# KiCad board fairyboard.kicad_pcb
title: fairyboard; rev: 1; company: Steven Eisinger (restive.engines)

Outline 305.49 x 118.31 mm; copper layers: Top, Bottom. Coordinates in mm from the lower left corner of the outline.
Outline path: 0,77.9 9.14,114.57 arc(9.65,115.25) 10.48,115.38 26.78,111.31 arc(27.53,111.38) 28.06,111.92 arc(28.56,112.6) 29.4,112.72 45.7,108.66 arc(46.53,108.78) 47.03,109.46 49.04,117.51 arc(49.54,118.19) 50.37,118.31 66.67,114.25 arc(67.51,114.37) 68.01,115.05 68.2,115.82 arc(68.7,116.5) 69.53,116.63 125.58,102.65 arc(125.72,102.63) 125.85,102.62 179.64,102.62 arc(179.77,102.63) 179.91,102.65 235.95,116.63 arc(236.79,116.5) 237.29,115.82 237.48,115.05 arc(237.98,114.37) 238.82,114.25 255.12,118.31 arc(255.95,118.19) 256.45,117.51 258.46,109.46 arc(258.96,108.78) 259.79,108.66 276.09,112.72 arc(276.92,112.6) 277.43,111.92 arc(277.96,111.38) 278.71,111.31 295.01,115.38 arc(295.84,115.25) 296.35,114.57 305.49,77.9 arc(305.37,77.07) 304.69,76.56 288.39,72.5 arc(287.71,72) 287.59,71.17 291.17,56.81 arc(291.04,55.97) 290.37,55.47 272.12,50.92 arc(271.29,51.05) 270.79,51.73 268.78,59.78 arc(268.28,60.46) 267.45,60.58 251.15,56.52 arc(250.32,56.64) 249.81,57.32 249.62,58.09 arc(249.12,58.77) 248.29,58.89 233.93,55.31 arc(233.25,54.81) 233.13,53.98 239.25,29.43 arc(239.12,28.6) 238.45,28.1 220.4,23.6 arc(220.25,23.55) 220.11,23.48 204.26,14.15 arc(204.13,14.06) 204.02,13.95 191.34,0.35 arc(190.57,0) 189.78,0.29 176.03,13.12 arc(175.68,13.88) 175.98,14.67 195.87,36 arc(196.13,36.48) 196.13,37.02 189.9,62 arc(189.51,62.6) 188.83,62.84 116.66,62.84 arc(115.98,62.6) 115.59,62 109.36,37.02 arc(109.36,36.48) 109.62,36 129.51,14.67 arc(129.81,13.88) 129.46,13.12 115.71,0.29 arc(114.92,0) 114.15,0.35 101.47,13.95 arc(101.36,14.06) 101.23,14.15 85.38,23.48 arc(85.24,23.55) 85.09,23.6 67.04,28.1 arc(66.37,28.6) 66.24,29.43 72.36,53.98 arc(72.24,54.81) 71.56,55.31 57.2,58.89 arc(56.37,58.77) 55.87,58.09 55.67,57.32 arc(55.17,56.64) 54.34,56.52 38.04,60.58 arc(37.21,60.46) 36.71,59.78 34.7,51.73 arc(34.2,51.05) 33.37,50.92 15.12,55.47 arc(14.45,55.97) 14.32,56.81 17.9,71.17 arc(17.78,72) 17.1,72.5 0.8,76.56 arc(0.12,77.07) 0,77.9
Stack: Top 0.035mm / dielectric 1.51mm FR4 er 4.5 / Bottom 0.035mm

## Placement (name value [footprint] x y rotation side)
_2  -  [SpacerHole_3.2mm_M2_Pad_Via]  99.84 81.5 346 top
_3  -  [SpacerHole_3.2mm_M2_Pad_Via]  205.65 81.5 14 top
_4  -  [SpacerHole_3.2mm_M2_Pad_Via]  24.22 92.37 346 top
_5  -  [SpacerHole_3.2mm_M2_Pad_Via]  281.27 92.37 14 top
_6  -  [SpacerHole_3.2mm_M2_Pad_Via]  64.12 95.3 346 top
_7  -  [SpacerHole_3.2mm_M2_Pad_Via]  241.37 95.3 14 top
_8  -  [SpacerHole_3.2mm_M2_Pad_Via]  90.64 44.63 346 top
_9  -  [SpacerHole_3.2mm_M2_Pad_Via]  214.85 44.63 14 top
_10  -  [SpacerHole_3.2mm_M2_Pad_Via]  36.53 71.06 346 top
_11  -  [SpacerHole_3.2mm_M2_Pad_Via]  268.96 71.06 14 top
_12  -  [SpacerHole_3.2mm_M2_Pad_Via]  108.09 22.45 321.2 top
_13  -  [SpacerHole_3.2mm_M2_Pad_Via]  197.4 22.45 38.8 top
_14  -  [MountingHole_2.2mm_M2_Pad_Via]  126.05 77.08 346 top
_15  -  [MountingHole_2.2mm_M2_Pad_Via]  179.44 77.08 14 top
_16  -  [MountingHole_2.2mm_M2_Pad_Via]  129.72 91.83 346 top
_17  -  [MountingHole_2.2mm_M2_Pad_Via]  175.77 91.83 14 top
D1  -  [SmtDiode]  18.35 79.15 76 top
D2  -  [SmtDiode]  22.94 97.58 76 top
D3  -  [SmtDiode]  32.67 58.05 76 top
D4  -  [SmtDiode]  37.27 76.49 76 top
D5  -  [SmtDiode]  41.86 94.93 76 top
D6  -  [SmtDiode]  53.65 63.65 76 top
D7  -  [SmtDiode]  58.24 82.08 76 top
D8  -  [SmtDiode]  62.84 100.52 76 top
D9  -  [SmtDiode]  72.81 61.96 76 top
D10  -  [SmtDiode]  77.4 80.4 76 top
D11  -  [SmtDiode]  82 98.83 76 top
D12  -  [SmtDiode]  90.03 52.51 76 top
D13  -  [SmtDiode]  94.63 70.95 76 top
D14  -  [SmtDiode]  99.23 89.38 76 top
D15  -  [SmtDiode]  107.62 44.52 76 top
D16  -  [SmtDiode]  112.22 62.96 76 top
D17  -  [SmtDiode]  116.82 81.39 76 top
D18  -  [SmtDiode]  84.59 30.68 76 top
D19  -  [SmtDiode]  102.76 21.08 59.5 top
D20  -  [SmtDiode]  117.45 6.71 43 top
D21  -  [SmtDiode]  300.73 82.53 104 top
D22  -  [SmtDiode]  296.13 100.97 104 top
D23  -  [SmtDiode]  286.4 61.44 104 top
D24  -  [SmtDiode]  281.81 79.88 104 top
D25  -  [SmtDiode]  277.21 98.31 104 top
D26  -  [SmtDiode]  265.43 67.03 104 top
D27  -  [SmtDiode]  260.83 85.47 104 top
D28  -  [SmtDiode]  256.23 103.9 104 top
D29  -  [SmtDiode]  246.27 65.35 104 top
D30  -  [SmtDiode]  241.67 83.78 104 top
D31  -  [SmtDiode]  237.07 102.22 104 top
D32  -  [SmtDiode]  229.04 55.9 104 top
D33  -  [SmtDiode]  224.44 74.34 104 top
D34  -  [SmtDiode]  219.85 92.77 104 top
D35  -  [SmtDiode]  211.45 47.91 104 top
D36  -  [SmtDiode]  206.86 66.34 104 top
D37  -  [SmtDiode]  202.26 84.78 104 top
D38  -  [SmtDiode]  234.48 34.07 104 top
D39  -  [SmtDiode]  214.79 28.18 120.5 top
D40  -  [SmtDiode]  197.58 16.95 137 top
DISP1  -  [display_nice_view]  152.74 83.33 0 top
G***  -  [LOGO]  191.11 100.55 14 top
JST1  -  [JST_PH_S2B-PH-K_02x2.00mm_Angled]  167.74 86.25 0 top
NOREF  -  [nice_nano_elite_c]  152.74 86.11 0 top
RST1  -  [reset_switch_tht_side]  134.74 99.22 0 top
S1  -  [MX]  12.46 84.48 346 top
S2  -  [MX]  17.06 102.91 346 top
S3  -  [MX]  26.79 63.39 346 top
S4  -  [MX]  31.38 81.82 346 top
S5  -  [MX]  35.98 100.26 346 top
S6  -  [MX]  47.76 68.98 346 top
S7  -  [MX]  52.36 87.41 346 top
S8  -  [MX]  56.95 105.85 346 top
S9  -  [MX]  66.92 67.29 346 top
S10  -  [MX]  71.52 85.73 346 top
S11  -  [MX]  76.12 104.16 346 top
S12  -  [MX]  84.15 57.84 346 top
S13  -  [MX]  88.74 76.28 346 top
S14  -  [MX]  93.34 94.72 346 top
S15  -  [MX]  101.74 49.85 346 top
S16  -  [MX]  106.33 68.29 346 top
S17  -  [MX]  110.93 86.72 346 top
S18  -  [MX]  78.71 36.01 346 top
S19  -  [MX]  98.63 27.86 329.5 top
S20  -  [MX]  115.42 14.38 313 top
S21  -  [MX]  293.03 84.48 14 top
S22  -  [MX]  288.43 102.91 14 top
S23  -  [MX]  278.7 63.39 14 top
S24  -  [MX]  274.11 81.82 14 top
S25  -  [MX]  269.51 100.26 14 top
S26  -  [MX]  257.73 68.98 14 top
S27  -  [MX]  253.13 87.41 14 top
S28  -  [MX]  248.54 105.85 14 top
S29  -  [MX]  238.57 67.29 14 top
S30  -  [MX]  233.97 85.73 14 top
S31  -  [MX]  229.37 104.16 14 top
S32  -  [MX]  221.34 57.84 14 top
S33  -  [MX]  216.74 76.28 14 top
S34  -  [MX]  212.15 94.72 14 top
S35  -  [MX]  203.75 49.85 14 top
S36  -  [MX]  199.16 68.29 14 top
S37  -  [MX]  194.56 86.72 14 top
S38  -  [MX]  226.78 36.01 14 top
S39  -  [MX]  206.86 27.86 30.5 top
S40  -  [MX]  190.07 14.38 47 top
S41  -  [PG1350]  12.46 84.48 166 top
S42  -  [PG1350]  17.06 102.91 166 top
S43  -  [PG1350]  26.79 63.39 166 top
S44  -  [PG1350]  31.38 81.82 166 top
S45  -  [PG1350]  35.98 100.26 166 top
S46  -  [PG1350]  47.76 68.98 166 top
S47  -  [PG1350]  52.36 87.41 166 top
S48  -  [PG1350]  56.95 105.85 166 top
S49  -  [PG1350]  66.92 67.29 166 top
S50  -  [PG1350]  71.52 85.73 166 top
S51  -  [PG1350]  76.12 104.16 166 top
S52  -  [PG1350]  84.15 57.84 166 top
S53  -  [PG1350]  88.74 76.28 166 top
S54  -  [PG1350]  93.34 94.72 166 top
S55  -  [PG1350]  101.74 49.85 166 top
S56  -  [PG1350]  106.33 68.29 166 top
S57  -  [PG1350]  110.93 86.72 166 top
S58  -  [PG1350]  78.71 36.01 166 top
S59  -  [PG1350#5]  98.63 27.86 149.5 top
S60  -  [PG1350#4]  115.42 14.38 133 top
S61  -  [PG1350#2]  293.03 84.48 194 top
S62  -  [PG1350#2]  288.43 102.91 194 top
S63  -  [PG1350#2]  278.7 63.39 194 top
S64  -  [PG1350#2]  274.11 81.82 194 top
S65  -  [PG1350#2]  269.51 100.26 194 top
S66  -  [PG1350#2]  257.73 68.98 194 top
S67  -  [PG1350#2]  253.13 87.41 194 top
S68  -  [PG1350#2]  248.54 105.85 194 top
S69  -  [PG1350#2]  238.57 67.29 194 top
S70  -  [PG1350#2]  233.97 85.73 194 top
S71  -  [PG1350#2]  229.37 104.16 194 top
S72  -  [PG1350#2]  221.34 57.84 194 top
S73  -  [PG1350#2]  216.74 76.28 194 top
S74  -  [PG1350#2]  212.15 94.72 194 top
S75  -  [PG1350#2]  203.75 49.85 194 top
S76  -  [PG1350#2]  199.16 68.29 194 top
S77  -  [PG1350#2]  194.56 86.72 194 top
S78  -  [PG1350#2]  226.78 36.01 194 top
S79  -  [PG1350#3]  206.86 27.86 210.5 top
S80  -  [PG1350#4]  190.07 14.38 227 top
T1  -  [SPDT_C128955]  170.74 100.72 0 top
TERMINAL1  -  [terminal_block_8]  131.74 83.33 0 top
TERMINAL2  -  [terminal_block_5]  172.53 83.33 0 top

## Footprints (pads in the part's own frame, mm; a bottom-side part is the same pattern mirrored in y, then rotated)
display_nice_view
  oval 1.7x1.7 hole 1: 1(-5.08,-16.7) 2(-2.54,-16.7) 3(0,-16.7) 4(2.54,-16.7)
  round 1.7 hole 1: 5(5.08,-16.7)
JST_PH_S2B-PH-K_02x2.00mm_Angled
  rect 1.2x1.7 hole 0.75: 1(-1,0)
  oval 1.2x1.7 hole 0.75: 2(1,0)
MountingHole_2.2mm_M2_Pad_Via
  round 0.7 hole 0.4: 1(-1.65,0) 1(-1.167,1.167) 1(-1.167,-1.167) 1(0,1.65) 1(0,-1.65) 1(1.167,1.167) 1(1.167,-1.167) 1(1.65,0)
  round 4.4 hole 2.2: 1(0,0)
MX
  round 1.702 hole 1.702 unplated: (-5.08,0) (5.08,0)
  round 3 hole 3 unplated: (-3.81,2.54) (2.54,5.08)
  round 3.988 hole 3.988 unplated: (0,0)
  rect 2.55x2.5 smd far side: 1(-7.085,2.54) 2(5.842,5.08)
nice_nano_elite_c
  oval 1.7x1.7 hole 1: 0(-7.62,12.7) 1(-7.62,10.16) 2(-7.62,7.62) 3(-7.62,5.08) 4(-7.62,2.54) 5(-7.62,0) 6(-7.62,-2.54) 7(-7.62,-5.08) 8(-7.62,-7.62) 9(-7.62,-10.16) 10(-7.62,-12.7) 11(-7.62,-15.24) 12(7.62,-15.24) 13(7.62,-12.7) 14(7.62,-10.16) 15(7.62,-7.62) 16(7.62,-5.08) 17(7.62,-2.54) 18(7.62,0) 19(7.62,2.54) 20(7.62,5.08) 21(7.62,7.62) 22(7.62,10.16) 23(7.62,12.7) 24(5.08,-10.16) 25(2.54,-10.16) 26(0,-10.16)
  oval 1.753x1.753 hole 1.092: 27(5.08,-15.24) 28(2.54,-15.24) 29(0,-15.24) 30(-2.54,-15.24) 31(-5.08,-15.24)
PG1350
  round 1.702 hole 1.702 unplated: (-5.5,0) (5.5,0)
  round 3 hole 3 unplated: (0,5.95) (5,3.75)
  round 5 hole 5 unplated: (0,0)
  rect 2.6x2.6 smd far side: 1(-3.275,5.95) 2(8.275,3.75)
PG1350#2
  round 1.702 hole 1.702 unplated: (-5.5,0) (5.5,0)
  round 3 hole 3 unplated: (0,5.95) (5,3.75)
  round 5 hole 5 unplated: (0,0)
  rect 2.6x2.6 smd far side: 1(-3.275,5.95) 2(8.275,3.75)
PG1350#3
  round 1.702 hole 1.702 unplated: (-5.5,0) (5.5,0)
  round 3 hole 3 unplated: (0,5.95) (5,3.75)
  round 5 hole 5 unplated: (0,0)
  rect 2.6x2.6 smd far side: 1(-3.275,5.95) 2(8.275,3.75)
PG1350#4
  round 1.702 hole 1.702 unplated: (-5.5,0) (5.5,0)
  round 3 hole 3 unplated: (0,5.95) (5,3.75)
  round 5 hole 5 unplated: (0,0)
  rect 2.6x2.6 smd far side: 1(-3.275,5.95) 2(8.275,3.75)
PG1350#5
  round 1.702 hole 1.702 unplated: (-5.5,0) (5.5,0)
  round 3 hole 3 unplated: (0,5.95) (5,3.75)
  round 5 hole 5 unplated: (0,0)
  rect 2.6x2.6 smd far side: 1(-3.275,5.95) 2(8.275,3.75)
reset_switch_tht_side
  round 2 hole 1.3: (-3.5,-1.25) (3.5,-1.25)
  round 1.7 hole 1: 1(2.5,1.25) 2(-2.5,1.25)
SmtDiode
  rect 0.9x1.2 smd far side: 1(-1.65,0) 2(1.65,0)
SpacerHole_3.2mm_M2_Pad_Via
  round 3.2 hole 3.2 unplated: (0,0)
SPDT_C128955
  rect 0.9x0.9 smd: (-3.7,-1.1) (-3.7,1.1) (3.7,-1.1) (3.7,1.1)
  round 1 hole 0.9 unplated: (-1.5,0) (1.5,0)
  rect 0.9x1.25 smd: 1(2.25,-2.075) 2(-0.75,-2.075) 3(-2.25,-2.075)
terminal_block_5
  round 1.1 hole 1.1 unplated: (-6.35,-19.24) (-3.81,-19.24) (-1.27,-19.24) (1.27,-19.24) (3.81,-19.24)
  round 1.8 hole 1.1: 1(-6.35,-16.7) 2(-3.81,-16.7) 3(-1.27,-16.7) 4(1.27,-16.7) 5(3.81,-16.7)
terminal_block_8
  round 1.1 hole 1.1 unplated: (-10.16,-19.24) (-7.62,-19.24) (-5.08,-19.24) (-2.54,-19.24) (0,-19.24) (2.54,-19.24) (5.08,-19.24) (7.62,-19.24)
  round 1.8 hole 1.1: 1(-10.16,-16.7) 2(-7.62,-16.7) 3(-5.08,-16.7) 4(-2.54,-16.7) 5(0,-16.7) 6(2.54,-16.7) 7(5.08,-16.7) 8(7.62,-16.7)

## Nets
GND: DISP1.4 JST1.2 NOREF.1 NOREF.20 NOREF.21 RST1.1 TERMINAL1.3
VCC: DISP1.3 NOREF.3 TERMINAL1.2
B+: JST1.1 T1.2
COL1: NOREF.4 S1.1 S2.1 S3.1 S21.1 S22.1 S23.1 S41.2 S42.2 S43.2 S61.2 S62.2 S63.2
COL2: NOREF.5 S4.1 S5.1 S6.1 S24.1 S25.1 S26.1 S44.2 S45.2 S46.2 S64.2 S65.2 S66.2
COL3: NOREF.6 S7.1 S8.1 S9.1 S27.1 S28.1 S29.1 S37.1 S47.2 S48.2 S49.2 S67.2 S68.2 S69.2 S77.2
COL4: NOREF.7 S10.1 S11.1 S18.1 S30.1 S31.1 S34.1 S38.1 S50.2 S51.2 S58.2 S70.2 S71.2 S74.2 S78.2
COL5: NOREF.8 S12.1 S13.1 S14.1 S19.1 S32.1 S33.1 S39.1 S52.2 S53.2 S54.2 S59.2 S72.2 S73.2 S79.2
COL6: NOREF.9 S15.1 S16.1 S17.1 S20.1 S35.1 S36.1 S40.1 S55.2 S56.2 S57.2 S60.2 S75.2 S76.2 S80.2
D0: DISP1.5 NOREF.23 TERMINAL1.4
D1: NOREF.22 TERMINAL1.5
D2: DISP1.1 NOREF.19 TERMINAL1.6
D3: DISP1.2 NOREF.18 TERMINAL1.7
D4: NOREF.17 TERMINAL1.8
D5: NOREF.24 NOREF.27 TERMINAL2.1
D6: NOREF.25 NOREF.28 TERMINAL2.2
D7: NOREF.26 NOREF.29 TERMINAL2.3
D8: NOREF.30 TERMINAL2.4
D9: NOREF.31 TERMINAL2.5
index_bottom: D12.2 S12.2 S52.1
index_home: D13.2 S13.2 S53.1
index_top: D14.2 S14.2 S54.1
inner_bottom: D15.2 S15.2 S55.1
inner_home: D16.2 S16.2 S56.1
inner_thumb: D20.2 S20.2 S60.1
inner_top: D17.2 S17.2 S57.1
middle_bottom: D9.2 S9.2 S49.1
middle_home: D10.2 S10.2 S50.1
middle_thumb: D19.2 S19.2 S59.1
middle_top: D11.2 S11.2 S51.1
mirror_index_bottom: D32.2 S32.2 S72.1
mirror_index_home: D33.2 S33.2 S73.1
mirror_index_top: D34.2 S34.2 S74.1
mirror_inner_bottom: D35.2 S35.2 S75.1
mirror_inner_home: D36.2 S36.2 S76.1
mirror_inner_thumb: D40.2 S40.2 S80.1
mirror_inner_top: D37.2 S37.2 S77.1
mirror_middle_bottom: D29.2 S29.2 S69.1
mirror_middle_home: D30.2 S30.2 S70.1
mirror_middle_thumb: D39.2 S39.2 S79.1
mirror_middle_top: D31.2 S31.2 S71.1
mirror_outer_home: D21.2 S21.2 S61.1
mirror_outer_thumb: D38.2 S38.2 S78.1
mirror_outer_top: D22.2 S22.2 S62.1
mirror_pinky_bottom: D23.2 S23.2 S63.1
mirror_pinky_home: D24.2 S24.2 S64.1
mirror_pinky_top: D25.2 S25.2 S65.1
mirror_ring_bottom: D26.2 S26.2 S66.1
mirror_ring_home: D27.2 S27.2 S67.1
mirror_ring_top: D28.2 S28.2 S68.1
outer_home: D1.2 S1.2 S41.1
outer_thumb: D18.2 S18.2 S58.1
outer_top: D2.2 S2.2 S42.1
pinky_bottom: D3.2 S3.2 S43.1
pinky_home: D4.2 S4.2 S44.1
pinky_top: D5.2 S5.2 S45.1
RAW: NOREF.0 T1.1 TERMINAL1.1
ring_bottom: D6.2 S6.2 S46.1
ring_home: D7.2 S7.2 S47.1
ring_top: D8.2 S8.2 S48.1
ROW1: D14.1 D17.1 D34.1 D37.1 NOREF.16
ROW2: D2.1 D5.1 D8.1 D11.1 D13.1 D16.1 NOREF.10
ROW3: D1.1 D4.1 D7.1 D10.1 D12.1 D15.1 NOREF.15
ROW4: D3.1 D6.1 D9.1 D18.1 D19.1 D20.1 NOREF.13
ROW5: D22.1 D25.1 D28.1 D31.1 D33.1 D36.1 NOREF.11
ROW6: D21.1 D24.1 D27.1 D30.1 D32.1 D35.1 NOREF.14
ROW7: D23.1 D26.1 D29.1 D38.1 D39.1 D40.1 NOREF.12
RST: NOREF.2 RST1.2

Pads without a net: _14 1; _15 1; _16 1; _17 1; T1 3

## Via types
v1: diameter 0.8, hole 0.4, Top to Bottom, 339 vias

## Routing (per net, layer and track width the routed paths; a pad name or vN(x,y) marks a point on that pad's centre or on a via; arc(x,y) is an arc through that point)
GND:
  vias: v1(1.75,79.94) v1(6.6,97.54) v1(9.23,92.76) v1(9.4,110.37) v1(14.61,112.57) v1(16.83,107.87) v1(16.92,92.32) v1(17.13,59.17) v1(19.76,99.9) v1(20.01,75.03) v1(22.14,90) v1(22.48,69.94) v1(22.47,57.19) v1(27.11,107.44) v1(27.15,66.78) v1(27.3,54.29) v1(29.54,72.14) v1(29.76,90.22) v1(30.12,59.74) v1(32.13,64.82) v1(35.19,107.9) v1(35.17,82.19) v1(40.07,64.66) v1(40.19,87.21) v1(40.2,79.96) v1(44.92,102.33) v1(47.7,74.41) v1(47.94,82.01) v1(49.93,99.79) v1(52.69,92.09) v1(52.67,69.62) v1(55.35,97.2) v1(55.39,59.34) v1(55.51,84.49) v1(55.86,111.71) v1(57.5,114.17) v1(58.14,76.99) v1(60.09,61.62) v1(60.24,95.15) v1(60.36,107.65) v1(62.98,87.07) v1(63.13,74.77) v1(65.73,104.89) v1(67.73,31.87) v1(68.14,72.16) v1(68.18,94.9) v1(71.59,111.59) v1(72.7,92.47) v1(72.83,29.06) v1(72.99,81.98) v1(73.29,51.9) v1(75.32,59.2) v1(75.61,107.96) v1(75.58,87.14) v1(75.6,47.02) v1(77.77,41.56) v1(77.86,100.43) v1(78.06,77.03) v1(80.36,72.07) v1(80.59,85.14) v1(80.74,105.14) v1(80.76,26.04) v1(80.98,64.79) v1(83.06,36.69) v1(83.21,49.27) v1(85.65,89.68) v1(85.59,43.99) v1(85.85,107.91) v1(85.95,54.15) v1(86.04,82.22) v1(88.08,66.91) v1(88.22,59.28) v1(88.42,102.29) v1(88.47,39.08) v1(90.61,72.42) v1(90.58,34.12) v1(91.09,84.5) v1(93.49,77.23) v1(93.57,104.91) v1(93.61,41.91) v1(95.94,36.77) v1(98.28,23.76) v1(98.48,46.84) v1(98.64,59.35) v1(98.79,102.28) v1(101.11,34.35) v1(101.08,16.05) v1(103.7,77.21) v1(103.73,57.15) v1(103.84,100.24) v1(105.91,36.34) v1(106.11,47.08) v1(106.32,72.06) v1(108.71,97.43) v1(108.72,64.63) v1(108.68,26.42) v1(110.77,92.34) v1(111.29,31.6) v1(111.37,69.46) v1(113.28,74.94) v1(113.76,3.58) v1(114.47,99.3) v1(115.95,26.36) v1(116.5,87.52) v1(118.44,97.63) v1(118.76,67.22) v1(118.7,21.72) v1(119.04,6.48) v1(119.1,77.28) v1(121.1,85.07) v1(121.32,92.75) v1(124.03,18.96) v1(126.04,87.18) v1(126.37,13.87) v1(127.81,68.25) v1(129.16,82.53) v1(130.29,78.19) v1(133.03,71.13) v1(133.64,87.72) v1(135.99,75.83) v1(136.32,78.43) v1(138.75,82.63) v1(139.06,100.24) v1(141.11,71.33) v1(141.32,67.08) v1(143,70.18) v1(145.26,66.37) v1(149.13,78.43) v1(149.18,97.78) v1(153.12,85.79) v1(155.44,91) v1(158.41,64.5) v1(160.21,66.08) v1(162.77,63.85) v1(164.3,92.79) v1(164.43,82.64) v1(166.75,76.96) v1(172.33,82.54) v1(172.45,92.77) v1(172.54,68.7) v1(174.38,87.2) v1(174.44,77.35) v1(176.99,100.13) v1(177.31,13.92) v1(179.82,82.13) v1(180.05,94.65) v1(182.29,90.24) v1(183.52,68.49) v1(183.55,64.33) v1(184.76,77.61) v1(184.99,16.45) v1(187.19,92.63) v1(187.3,71.81) v1(187.48,96.12) v1(188.26,68.95) v1(189.98,3.77) v1(190.74,103.07) v1(192.4,26.17) v1(194.69,97.25) v1(194.77,16.53) v1(195.25,5.92) v1(197.12,56.68) v1(197.21,34.17) v1(197.3,89.88) v1(197.33,74.44) v1(199.91,13.95) v1(200.06,102.42) v1(200.09,39.29) v1(202.39,79.53) v1(202.58,92.67) v1(202.61,54.42) v1(202.84,43.87) v1(202.89,66.76) v1(205.34,16.46) v1(205.44,99.79) v1(207.53,87.65) v1(207.69,104.98) v1(207.71,49.52) v1(207.84,61.84) v1(208.01,41.56) v1(208.67,31.55) v1(209.86,82.16) v1(212.89,39.09) v1(215.04,97.8) v1(215.19,64.17) v1(215.3,71.94) v1(215.56,84.79) v1(215.58,105.39) v1(217.53,23.51) v1(218.01,33.85) v1(220.16,107.58) v1(220.61,54.66) v1(220.6,46.83) v1(220.72,80.14) v1(225.04,41.49) v1(225.19,82.41) v1(225.38,69.43) v1(225.56,95.24) v1(225.57,31.47) v1(225.74,57.04) v1(227.69,110.37) v1(227.73,99.75) v1(228.17,77.31) v1(230.34,92.56) v1(230.31,72.33) v1(230.44,39.11) v1(230.87,49.61) v1(232.69,107.62) v1(233.06,82.55) v1(233.3,59.37) v1(235.61,28.88) v1(237.85,95.33) v1(238,84.8) v1(238.41,105.13) v1(243.05,77.25) v1(243.08,112.76) v1(243.19,92.16) v1(247.94,79.61) v1(248.51,95.27) v1(248.53,71.88) v1(253.01,105.47) v1(255.65,97.35) v1(255.87,62.29) v1(256.17,74.41) v1(260.63,72.22) v1(260.68,105.45) v1(263.69,85.19) v1(265.8,107.33) v1(266.31,66.95) v1(268.82,89.58) v1(275.94,107.77) v1(276.02,69.44) v1(278.45,92.56) v1(278.42,80.08) v1(278.6,99.84) v1(281.2,110.62) v1(281.19,87.61) v1(283.61,82.65) v1(286.08,71.95) v1(286.28,107.44) v1(288.62,92.12) v1(288.83,59.74) v1(289.19,76.88) v1(291.19,113.02) v1(291.62,105.04) v1(296.23,87.72) v1(296.35,107.93) v1(299.31,97.87) v1(301.45,77.11)
VCC: length 57.1
  Bottom w0.25: NOREF.3 146.03,90.29 arc(146.32,89.84) 146.43,89.32 146.43,69.76 ; DISP1.3 151.97,65.85 arc(151.53,65.56) 151.01,65.45 147.13,65.45 arc(146.86,65.51) 146.63,65.66 arc(146.48,65.89) 146.43,66.15 146.43,68.67 ; 145.93,69.17 127.23,69.17 arc(126.71,69.07) 126.27,68.77 TERMINAL1.2 ; 145.93,69.17 arc(146.28,69.34) 146.43,69.76 ; 145.93,69.17 arc(146.28,69.03) 146.43,68.67 ; 146.43,68.67 146.43,69.76
B+: length 13.6
  Top w0.25: T1.2 169.99,93.53 arc(169.89,93.01) 169.6,92.56 167.14,90.11 arc(166.85,89.67) 166.74,89.15 JST1.1
COL1: length 423.8
  Top w0.25: v1(148.42,90.99) 147.94,90.99 arc(147.5,90.9) 147.12,90.65 NOREF.4
  Bottom w0.25: S63.2 272.16,58.71 arc(272.34,59.21) 272.31,59.74 S23.1 275.66,71.53 arc(276.02,71.93) 276.5,72.15 282.29,73.6 arc(282.77,73.83) 283.13,74.22 284.7,76.84 ; 286.48,79.8 285.75,78.59 ; 286.48,79.8 arc(286.66,80.3) 286.64,80.83 ; 286.48,79.8 arc(286.55,79.91) 286.62,80.03 ; 286.62,80.03 285.83,78.71 ; 286.62,80.03 arc(286.7,80.36) 286.64,80.83 ; 285.83,78.71 285.53,78.21 ; 285.83,78.71 arc(285.79,78.65) 285.75,78.59 ; 285.17,77.61 285.34,77.9 ; 285.17,77.61 285.01,77.35 ; 285.17,77.61 arc(285.17,77.62) 285.18,77.63 ; 285.34,77.9 285.53,78.21 ; 285.34,77.9 arc(285.35,77.91) 285.36,77.93 ; 286.64,80.83 S21.1 285.8,85.66 arc(285.96,86.11) 285.93,86.58 283.75,95.34 arc(283.52,95.82) 283.13,96.18 281.74,97.02 arc(281.51,97.32) 281.57,97.7 281.89,98.23 arc(282.06,98.73) 282.04,99.26 S22.1 280.02,107.34 arc(279.8,107.82) 279.41,108.18 274.1,111.37 arc(273.6,111.55) 273.07,111.52 259.84,108.22 arc(259.31,108.19) 258.81,108.37 258.14,108.77 arc(257.75,109.13) 257.52,109.61 256.17,115.02 arc(255.94,115.5) 255.55,115.85 253.83,116.89 arc(253.33,117.07) 252.8,117.04 239.07,113.62 arc(238.54,113.59) 238.04,113.77 235.24,115.45 arc(234.74,115.63) 234.21,115.61 182.25,102.65 arc(181.73,102.44) 181.29,102.11 178,98.82 arc(177.56,98.52) 177.04,98.42 162.58,98.42 arc(162.06,98.31) 161.62,98.02 161.44,97.84 arc(161,97.55) 160.48,97.44 155.44,97.44 arc(154.92,97.34) 154.48,97.04 v1(148.42,90.99) ; 285.75,78.59 285.57,78.27 ; 285.57,78.27 285.36,77.93 ; 285.57,78.27 arc(285.55,78.24) 285.53,78.21 ; 285.01,77.35 284.7,76.84 ; 285.01,77.35 arc(285.01,77.35) 285.01,77.35 ; 284.7,76.84 285.01,77.35 ; NOREF.4 142.53,88.65 arc(142.01,88.75) 141.57,89.05 134.5,96.11 arc(134.06,96.41) 133.54,96.51 130.97,96.51 arc(130.45,96.62) 130.01,96.91 125.54,101.38 arc(125.1,101.71) 124.58,101.92 71.28,115.21 arc(70.75,115.24) 70.25,115.06 67.97,113.69 arc(67.47,113.51) 66.94,113.53 52.36,117.17 arc(51.83,117.2) 51.33,117.02 49.84,116.13 arc(49.45,115.77) 49.22,115.29 47.77,109.46 arc(47.74,109.36) 47.7,109.26 arc(47.67,109.16) 47.64,109.06 47.63,109.02 arc(47.57,108.91) 47.48,108.82 46.38,108.16 arc(46.13,108.07) 45.87,108.08 32.7,111.37 arc(32.17,111.39) 31.67,111.21 29.01,109.61 arc(28.51,109.43) 27.98,109.46 19.16,111.65 arc(18.63,111.68) 18.13,111.5 S2.1 9.7,102.69 arc(9.47,102.21) 9.08,101.85 8.16,101.3 arc(8.13,101.27) 8.11,101.23 arc(8.11,101.19) 8.12,101.15 8.68,100.23 arc(8.86,99.73) 8.83,99.2 S1.1 5.1,84.26 arc(4.88,83.78) 4.49,83.42 3.95,83.1 arc(3.73,82.79) 3.78,82.41 6.96,77.12 arc(7.32,76.73) 7.8,76.51 17.36,74.12 arc(17.84,73.9) 18.19,73.5 20.6,69.5 arc(20.78,69) 20.75,68.47 19.43,63.16 arc(19.2,62.68) 18.81,62.33 S43.2 ; 285.36,77.93 285.18,77.63 ; 285.01,77.35 285.18,77.63
COL2: length 383
  Top w0.25: v1(147.35,86.77) 146.25,86.77 arc(145.82,86.68) 145.45,86.44 NOREF.5
  Bottom w0.25: 124.14,101.57 71.7,114.64 arc(71.7,114.64) 71.7,114.64 arc(71.7,114.64) 71.69,114.64 arc(71.69,114.64) 71.69,114.64 71.44,114.71 arc(71.2,114.72) 70.97,114.63 67.91,112.8 arc(67.7,112.72) 67.48,112.73 67.03,112.85 52.49,116.47 arc(51.96,116.5) 51.46,116.32 50.42,115.69 arc(50.02,115.33) 49.8,114.85 48.29,108.79 arc(48.06,108.31) 47.67,107.96 46.8,107.44 arc(46.3,107.26) 45.77,107.28 32.81,110.52 arc(32.28,110.54) 31.78,110.36 31.58,110.24 arc(31.18,109.89) 30.96,109.41 S5.1 28.62,100.03 arc(28.39,99.55) 28,99.2 27.47,98.88 arc(27.24,98.57) 27.3,98.19 27.62,97.66 arc(27.8,97.16) 27.77,96.63 S4.1 24.02,81.6 arc(23.8,81.12) 23.4,80.76 22.87,80.44 arc(22.65,80.14) 22.7,79.76 27.79,71.29 arc(28.15,70.9) 28.63,70.67 37.74,68.4 arc(38.2,68.18) 38.55,67.81 38.57,67.77 arc(38.87,67.54) 39.25,67.6 39.78,67.92 arc(40.18,68.28) 40.4,68.76 S6.1 ; v1(147.35,86.77) 152.59,92.01 arc(153.03,92.3) 153.55,92.41 161.11,92.41 arc(161.63,92.51) 162.07,92.81 163.62,94.36 arc(164.06,94.65) 164.58,94.76 175.96,94.76 arc(176.48,94.86) 176.92,95.16 184.11,102.35 arc(184.56,102.68) 185.08,102.89 234.14,115.13 arc(234.67,115.15) 235.17,114.97 237.97,113.29 arc(238.47,113.11) 239,113.14 252.73,116.56 arc(253.26,116.59) 253.76,116.41 255.16,115.57 arc(255.55,115.21) 255.78,114.73 258.57,103.55 arc(258.79,103.07) 259.19,102.71 S25.1 263.12,96.61 arc(263.15,96.08) 262.97,95.58 S65.2 265.04,83.99 arc(265.27,83.51) 265.66,83.15 266.14,82.86 ; NOREF.5 143.21,86.11 arc(142.69,86.21) 142.25,86.51 133.11,95.64 arc(132.67,95.94) 132.15,96.04 130.23,96.04 arc(129.71,96.15) 129.27,96.44 124.14,101.57 ; 266.72,82.18 267.72,78.17 arc(267.74,77.64) 267.56,77.14 S64.2 ; 266.72,82.18 arc(266.52,82.55) 266.14,82.86 ; 266.72,82.18 arc(266.56,82.28) 266.36,82.14 ; 266.36,82.14 264.88,79.69 arc(264.53,79.29) 264.05,79.07 254.95,76.8 arc(254.47,76.57) 254.12,76.18 S26.1 251.34,65.33 arc(251.36,64.8) 251.18,64.3 S66.2 ; 266.36,82.14 arc(266.4,82.53) 266.14,82.86
COL3: length 340.7
  Top w0.25: v1(157.35,86.71) 158.73,85.33 arc(159.17,85.04) 159.69,84.93 162.4,84.93 arc(162.57,84.9) 162.72,84.8 v1(162.85,84.67) ; NOREF.6 147.72,83.57 arc(147.75,83.56) 147.77,83.55 v1(147.79,83.53)
  Bottom w0.25: S69.2 232.02,62.61 arc(232.2,63.11) 232.18,63.64 S29.1 236.16,76.49 arc(236.51,76.89) 236.99,77.11 243.76,78.8 arc(244.24,79.03) 244.6,79.42 S67.2 246.59,82.73 arc(246.77,83.23) 246.74,83.76 S27.1 245.99,88.75 arc(246.17,89.25) 246.15,89.78 244.06,98.15 arc(243.83,98.63) 243.44,98.99 S68.2 241.99,101.17 arc(242.17,101.67) 242.14,102.2 S28.1 240.41,109.17 arc(240.18,109.65) 239.79,110.01 234.66,113.09 arc(234.16,113.27) 233.63,113.24 197.63,104.27 arc(197.15,104.04) 196.79,103.65 S37.1 188.17,83.07 arc(188.19,82.54) 188.01,82.04 S77.2 184.25,84.27 arc(183.81,84.56) 183.29,84.67 v1(162.85,84.67) ; v1(147.79,83.53) 148,83.53 arc(148.19,83.57) 148.36,83.68 150.99,86.31 arc(151.43,86.6) 151.95,86.71 v1(157.35,86.71) ; NOREF.6 144.54,83.57 arc(144.02,83.67) 143.58,83.97 132.35,95.19 arc(131.91,95.49) 131.39,95.59 128.09,95.59 arc(127.57,95.7) 127.13,95.99 121.72,101.4 arc(121.28,101.74) 120.76,101.95 71.9,114.13 arc(71.37,114.15) 70.87,113.97 66.63,111.42 arc(66.13,111.24) 65.6,111.27 52.77,114.47 arc(52.56,114.48) 52.36,114.41 52.17,114.29 arc(51.77,113.93) 51.55,113.45 S8.1 49.6,105.63 arc(49.37,105.15) 48.98,104.79 48.5,104.5 arc(48.11,104.15) 47.88,103.67 45.37,93.58 arc(45.34,93.05) 45.52,92.55 45.81,92.08 arc(45.99,91.58) 45.96,91.05 45,87.19 arc(44.77,86.71) 44.38,86.35 43.85,86.03 arc(43.62,85.73) 43.68,85.35 47.69,78.68 arc(48.04,78.29) 48.52,78.06 57.6,75.8 arc(58.08,75.57) 58.44,75.18 S9.1 59.56,67.07 arc(59.34,66.59) 58.95,66.23 S49.2
COL4: length 349.7
  Top w0.25: v1(193.02,95.21) 183.03,92.72 arc(182.51,92.52) 182.06,92.18 179.27,89.39 arc(178.83,89.09) 178.31,88.99 v1(167.66,88.99) ; NOREF.7 146.2,81.03 arc(146.72,81.13) 147.16,81.43 148.49,82.76 arc(148.78,83.2) 148.89,83.72 148.89,85.25 arc(148.89,85.29) 148.92,85.32 v1(148.95,85.35)